# KiCad board for_real_486_rc13.kicad_pcb (continued)
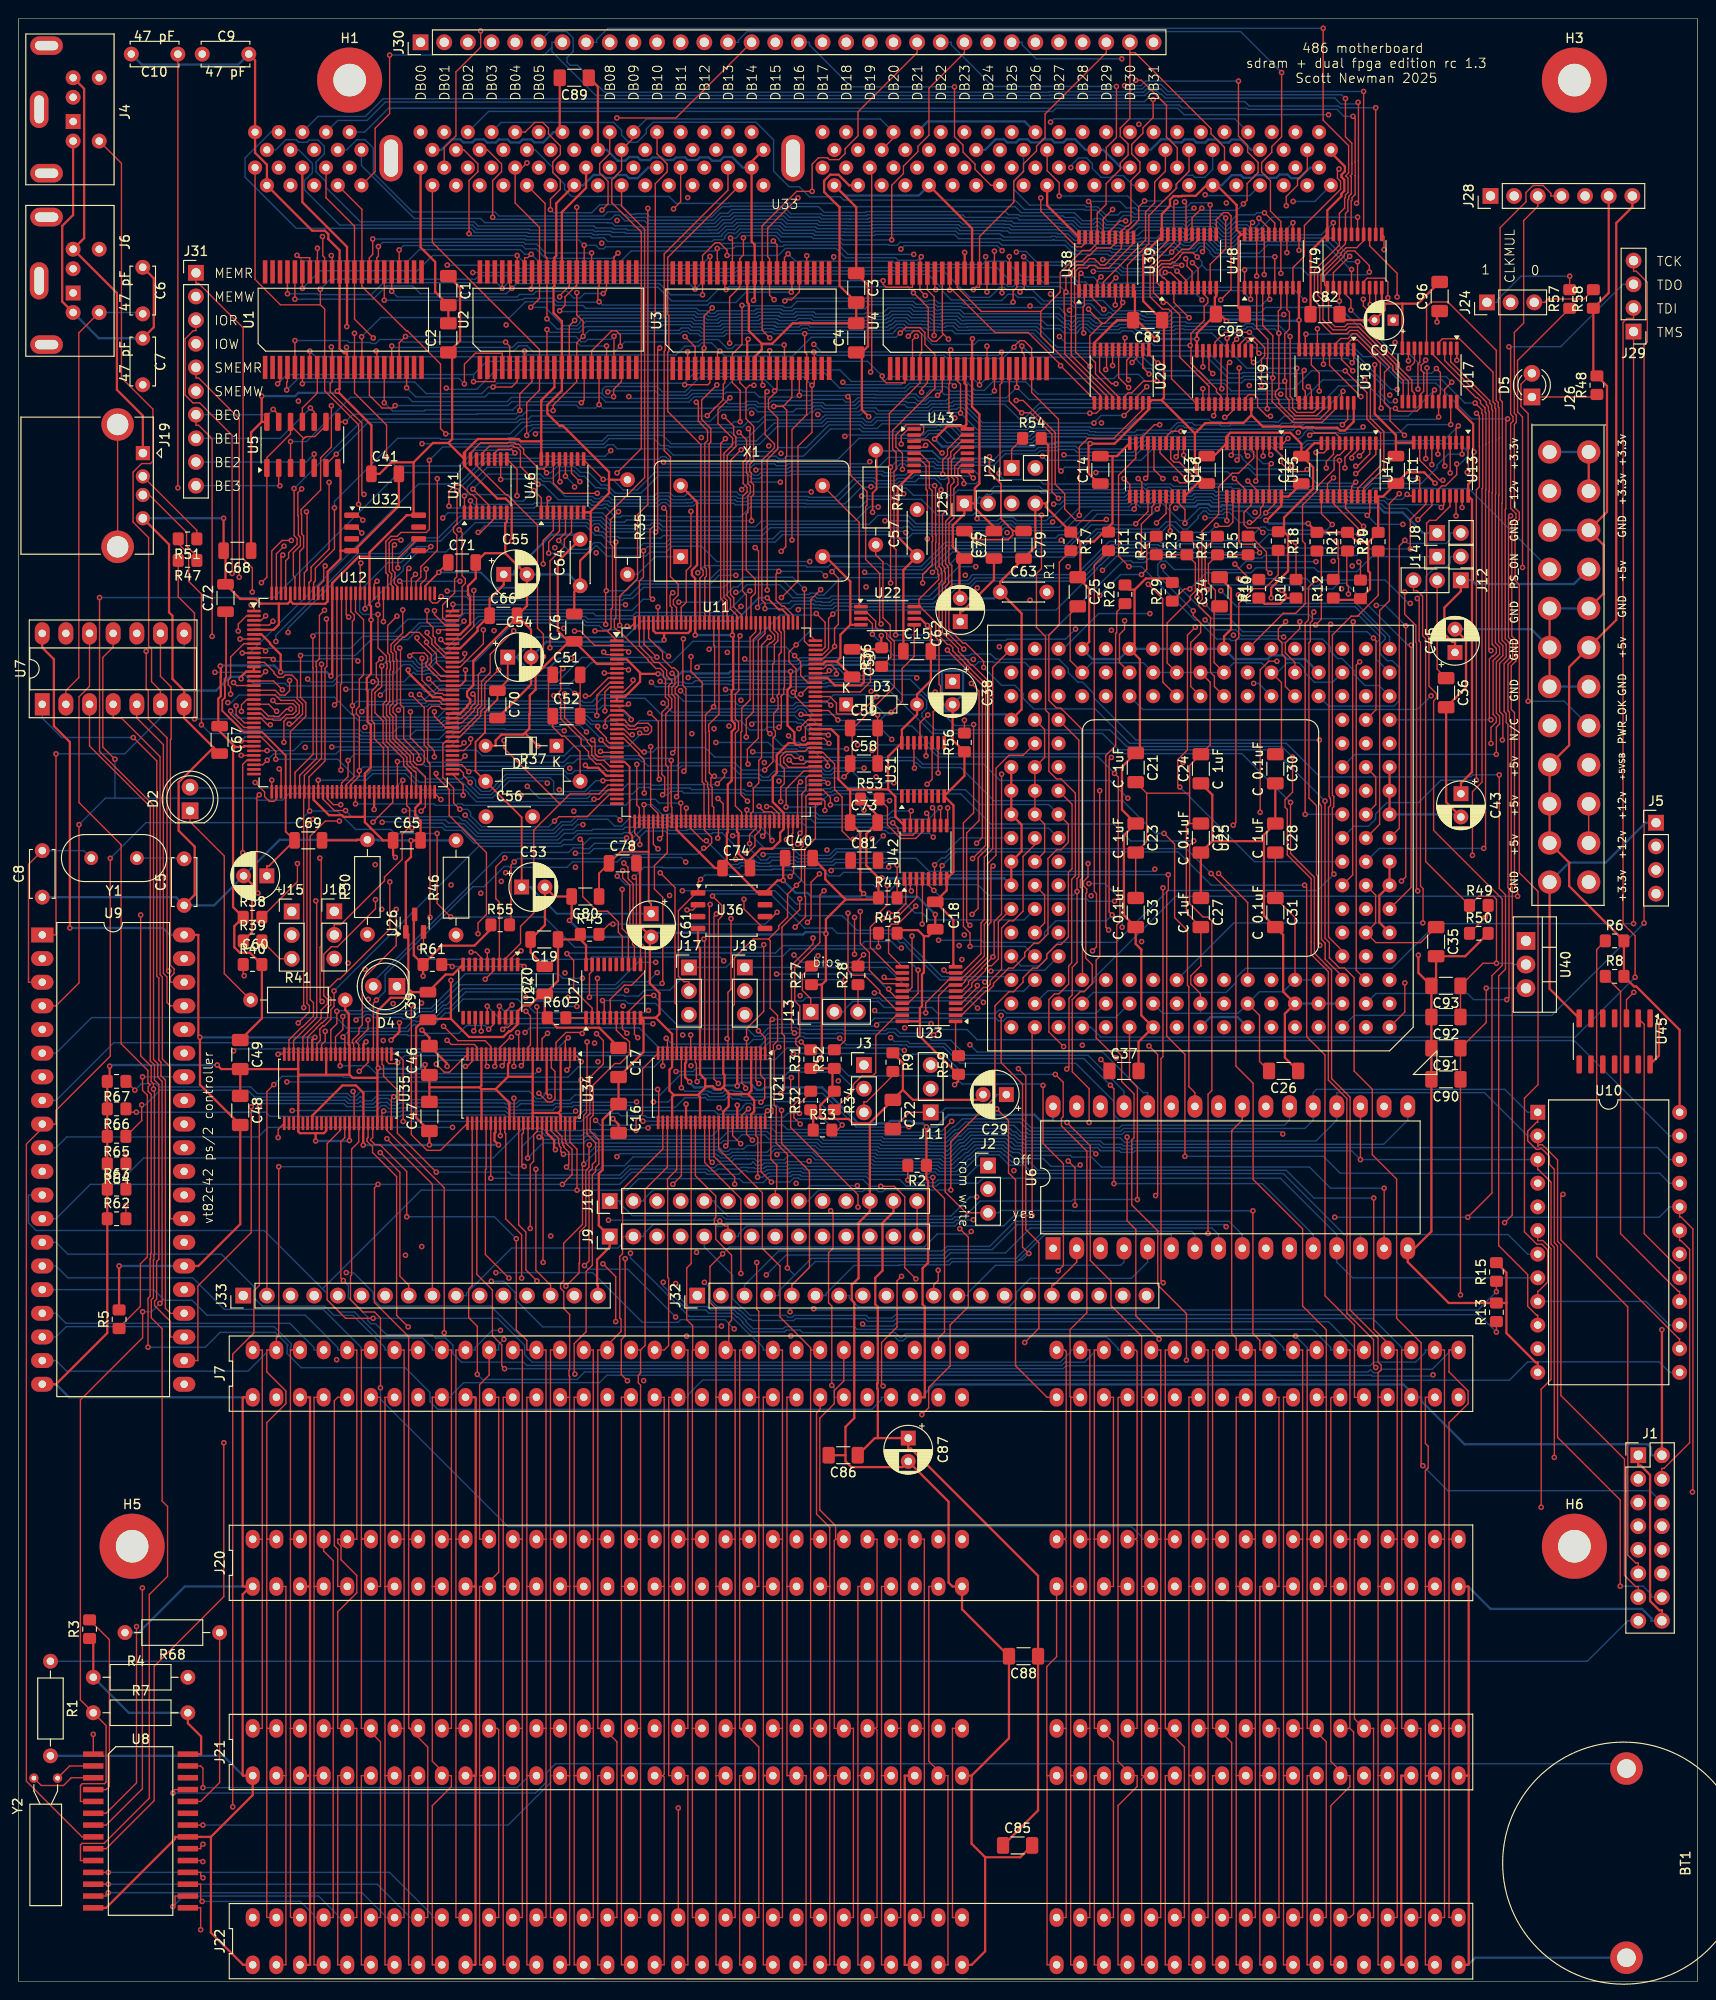
[diagram p0: board, top side]
## Routing (per net, layer and track width the routed paths; a pad name or vN(x,y) marks a point on that pad's centre or on a via; arc(x,y) is an arc through that point) (continued)
  Bottom w0.15: v1(45.57,157.18) 46.12,157.74 62.72,157.74 63.71,156.74 65.08,156.74 65.31,156.97 68.93,156.97 69.03,156.88 v1(78.74,156.88) ; v1(123.19,183.55) 122.9,183.27 118.41,183.27 117.97,183.7 117.57,183.7 117.53,183.66 v1(115.45,183.66)
DB18: length 192.4
  Top w0.15: v1(35.45,146.54) 35.19,146.8 U12.128 ; U39.7 126.7,183.99 v1(126.1,184.6) ; v1(79.94,171.44) 79.87,171.51 U3.13 ; U19.16 129.83,169.43 129.83,173.63 v1(130.1,173.89)
  In1.Cu w0.15: v1(126.1,184.6) 126.1,184.53 123.97,182.41 117.64,182.41 ; v1(35.45,146.54) 36.55,145.45 41.74,145.45 42.93,146.64 46.29,146.64 47.75,148.1 48.43,148.1 50.48,150.15 50.48,151.54 51.22,152.28 52.85,152.28 54.24,153.68 54.7,153.68 61.82,160.81 61.82,161.17 63.32,162.67 67.41,162.67 68.51,163.77 70.18,163.77 72.96,166.54 75.56,166.54 77.44,168.42 77.92,168.42 78.5,167.84 79.04,167.84 79.72,168.52 79.72,171.21 v1(79.94,171.44) 81.13,172.62 89.43,172.62 91.12,174.31 110.31,174.31 114.84,178.85 116.68,178.85 117.16,179.33 117.16,181.93 117.64,182.41 ; 117.64,182.41 117.3,182.74 117.3,183.03 107.95,192.38 U33.57
  In2.Cu w0.15: J30.19 88.9,207.15 81.43,199.69 81.43,190.98 82.04,190.37 82.04,186.25 81.77,185.98 81.77,185.98 80.58,184.78 80.58,180.4 80.93,180.04 80.93,179.53 80.12,178.71 80.12,175.57 79.76,175.22 79.76,171.62 v1(79.94,171.44) ; v1(126.1,184.6) 126.1,179.29 130.1,175.29 v1(130.1,173.89)
DB19: length 174.8
  Top w0.15: v1(36.76,152.34) 36.69,152.27 U12.125 ; 125.94,175.71 125.94,176.99 127.36,178.41 127.36,179.91 127.75,180.31 127.75,180.79 127.36,181.18 127.36,181.18 U39.8 ; 125.94,175.71 v1(125.85,175.71) ; 125.94,175.71 125.94,173.78 128.68,171.05 128.68,170.75 129.17,170.25 U19.15 ; v1(80.68,175.15) 80.67,175.14 U3.14
  In1.Cu w0.15: U33.58 105.73,194.82 104.34,196.2 104.34,197.32 105.23,198.2 105.23,199.04 104.19,200.07 100.49,200.07 92.57,208 92.57,208.28 J30.20 ; v1(80.68,175.15) 81.27,175.74 81.27,176.83 80.93,177.17 76.27,177.17 66.83,167.72 61.09,167.72 54.12,160.75 54.12,159.34 53.78,159 51.22,159 45.33,153.1 37.52,153.1 v1(36.76,152.34)
  In2.Cu w0.15: v1(111.81,176.67) 111.81,186.64 106.68,191.77 U33.58 ; J30.20 90.73,208.28 81.79,199.34 81.79,191.12 82.39,190.52 82.39,186.1 82.08,185.78 82.08,181.15 81.73,180.81 81.73,176.2 v1(80.68,175.15)
  Bottom w0.15: v1(125.85,175.71) 121.98,175.71 121.74,175.95 112.53,175.95 v1(111.81,176.67)
DB20: length 184.7
  Top w0.15: v1(128.38,168.17) 128.52,168.31 U19.14 ; v1(37.21,147.44) 37.21,149.07 U12.124 ; v1(68.43,155.66) 68.65,155.88 68.65,175.21 v1(68.88,175.44) ; U39.13 127.36,185.97 v1(127.17,185.79) ; v1(81.15,180.64) 80.67,181.12 U3.31 80.67,185.04 80.46,185.25 80.46,188.31 v1(83.72,191.57)
  In1.Cu w0.15: 109.73,195.52 109.37,195.89 109.37,197.27 110.3,198.2 110.3,199.04 109.63,199.72 105.32,199.72 104.62,200.43 102.68,200.43 95.11,208 95.11,208.28 J30.21 ; 109.73,195.52 109.22,195.01 U33.60 ; 109.73,195.52 110.88,195.52 111.22,195.86 112.19,195.86 112.36,195.68 113.58,195.68 113.8,195.9 114.69,195.9 115.38,195.21 115.38,194.39 114.49,193.5 114.49,192.44 115.51,191.42 115.51,191.01 121.02,185.5 121.67,185.5 121.71,185.47 123.32,185.47 123.63,185.16 124.33,185.16 124.96,185.8 127.17,185.8 v1(127.17,185.79) ; v1(81.15,180.64) 79.41,178.89 72.33,178.89 v1(68.88,175.44)
  In2.Cu w0.15: v1(127.17,185.79) 126.65,186.32 123.63,186.32 122.81,185.5 122.81,183.99 122.61,183.79 122.61,181.93 123.63,180.91 123.63,172.92 v1(128.38,168.17) ; v1(83.72,191.57) 83.72,192.31 84.84,193.42 84.84,195.45 87.76,198.37 87.76,199.14 93.39,204.77 93.39,207.15 93.98,207.15 J30.21
  Bottom w0.15: v1(68.43,155.66) 68.4,155.69 63.28,155.69 62.92,156.04 62.85,156.04 62.67,156.22 62.33,156.56 61.85,156.56 61.57,156.28 61.51,156.28 61.46,156.33 61.43,156.33 61.08,156.68 49.05,156.68 45.91,153.53 42.88,153.53 41.32,151.97 41.32,151.55 40.75,150.98 40.69,150.98 37.21,147.5 v1(37.21,147.44)
DB21: length 194.2
  Top w0.15: U39.14 126.7,187 125.72,186.01 124.95,186.01 123.95,185.01 123.81,185.01 123.64,184.83 122.66,184.83 121.91,184.08 121.91,181.4 v1(122.96,180.34) 123.38,180.34 124.74,178.98 124.74,174.46 127.87,171.33 U19.13 ; J30.22 96.52,207.15 90.17,200.8 90.17,198.23 88.78,196.84 88.78,196.33 88.12,195.67 87.09,195.67 86.89,195.88 85.93,195.88 85.24,195.19 v1(85.24,192.27) 83.58,192.27 79.87,188.56 U3.32 79.87,177.35 v1(80.69,176.53) ; 38.19,149.09 38.19,150.08 v1(38.5,150.39)
  In1.Cu w0.15: U33.65 118.11,195.04 116.7,196.44 116.7,197.1 115.57,198.23 115.57,198.86 114.15,200.28 105.36,200.28 97.65,208 97.65,208.28 J30.22 ; v1(85.24,192.27) 88.16,189.35 104.72,189.35 110.85,183.22 v1(110.85,181.24) ; v1(80.69,176.53) 79.74,175.57 77.77,175.57 69.21,167.01 62.66,167.01 57.23,161.59 57.23,161.18 52.42,156.37 51.2,156.37 47.23,152.4 40.5,152.4 38.5,150.4 v1(38.5,150.39)
  Bottom w0.15: v1(122.96,180.34) 122.4,180.91 114.42,180.91 114.36,180.85 111.24,180.85 v1(110.85,181.24)
DB22: length 177.7
  Top w0.15: v1(123.86,185.74) 124.76,186.63 U39.17 ; v1(76.38,175.96) 76.38,180.9 77.47,181.99 U3.35 77.47,185.04 77.86,185.43 v1(77.86,187.28) ; v1(38.58,147.85) 38.69,147.95 38.69,149.09 ; v1(117.93,203.53) 117.93,198.05 116.84,196.96 U33.66 ; U19.12 v1(127.22,171.06)
  In1.Cu w0.15: v1(76.38,175.96) 76.38,175.34 68.4,167.37 61.28,167.37 56.52,162.61 56.48,162.61 56.14,162.27 56.14,162.22 54.47,160.56 54.47,159.19 53.93,158.65 51.41,158.65 45.51,152.75 40.05,152.75 37.93,150.63 37.93,148.5 v1(38.58,147.85) ; U33.66 116.94,194.72 116.94,190.08 117.28,189.74 117.34,189.74 120.33,186.75 122.85,186.75 v1(123.86,185.74)
  In2.Cu w0.15: v1(127.22,171.06) 124.46,173.82 124.46,182.73 123.77,183.42 123.77,185.65 v1(123.86,185.74)
  Bottom w0.15: v1(77.86,187.28) 78.09,187.51 81.32,187.51 81.66,187.17 81.66,187.09 81.9,186.85 88.25,186.85 88.55,186.55 93.45,186.55 93.53,186.48 94.37,186.48 94.68,186.79 105.33,186.79 105.64,186.48 112.44,186.48 113.4,185.52 116.98,185.52 117.16,185.35 120.47,185.35 120.53,185.41 121.1,185.41 121.2,185.5 121.67,185.5 121.76,185.41 123.53,185.41 v1(123.86,185.74) ; J30.23 100.19,208.28 100.19,208 104.65,203.53 v1(117.93,203.53)
DB23: length 178.8
  Top w0.15: J30.24 101.6,207.15 97.79,203.34 97.79,198.29 96.61,197.11 96.61,196.54 95.05,194.98 95.05,194.18 93.79,192.92 v1(93.79,187.05) ; U3.36 76.67,185.04 76.68,185.05 76.68,187.03 v1(76.47,187.24) ; v1(39.19,146.05) U12.120 ; U19.11 123.85,172.14 123.85,179.29 123.53,179.61 122.87,179.61 121.55,180.93 121.55,184.23 122.6,185.28 122.6,185.29 124.11,186.8 U39.18 124.11,190.9 v1(124.32,191.11)
  In1.Cu w0.15: v1(39.19,146.05) 41.38,146.05 45.24,149.92 47.07,149.92 47.17,149.81 48.07,149.81 50.89,152.63 52.66,152.63 54.06,154.03 54.55,154.03 61.47,160.95 61.47,161.34 63.15,163.02 67.09,163.02 68.54,164.47 69.89,164.47 71.65,166.23 72.15,166.23 72.81,166.89 74.29,166.89 74.64,167.24 75.76,167.24 77.29,168.77 78.39,168.77 v1(78.75,168.42) ; v1(124.32,191.11) 122.45,191.11 U33.67
  In2.Cu w0.15: J30.24 102.73,208.28 102.73,208 103.57,207.15 104.77,207.15 112.98,198.95 112.98,198.28 114.12,197.14 114.12,196.15 113.03,195.06 v1(113.03,194.82) ; v1(78.75,168.42) 77.34,169.83 77.34,170.7 77.27,170.76 77.27,170.84 77.11,171 77.11,175.37 77.31,175.57 77.31,176.42 76.78,176.95 76.78,181.18 76.93,181.34 76.93,184.9 77.03,185 77.03,186.68 v1(76.47,187.24)
  Bottom w0.15: v1(76.47,187.24) 77.05,187.24 77.28,187.47 77.28,187.52 77.62,187.86 81.46,187.86 81.94,187.39 85.18,187.39 85.37,187.2 88.4,187.2 88.54,187.05 v1(93.79,187.05) ; U33.67 119.72,192.91 118.67,193.96 117.53,193.96 117.34,193.77 116.3,193.77 115.34,194.73 115.34,195.25 114.73,195.86 113.87,195.86 113.03,195.02 v1(113.03,194.82)
DB24: length 165
  Top w0.15: U20.18 120.12,170.21 v1(121.19,171.28) ; U38.3 115.21,180.94 v1(116.58,179.57) ; v1(100.14,175.24) 100.02,175.13 U4.9 100.02,171.7 99.94,171.61 99.94,168.57 v1(100.58,167.93) ; U12.119 39.65,149.13 39.65,150.94 39.71,150.99 39.71,151.04 39.45,151.3 39.45,154.67 39.99,155.22 40.66,155.22 41.07,155.63 43.8,155.63 44.13,155.96 v1(44.13,163.39)
  In1.Cu w0.15: v1(116.58,179.57) 115.97,180.19 114.69,180.19 113.4,178.89 103.79,178.89 v1(100.14,175.24) ; U33.69 123.19,195.25 122.15,196.29 122.15,197.15 122.97,197.97 122.97,199.1 122.4,199.67 122.25,199.67 121.23,200.7 112.57,200.7 105.27,208 105.27,208.28 J30.25
  In2.Cu w0.15: v1(116.58,179.57) 116.66,179.57 ; 116.66,179.57 120.86,175.37 120.86,172.41 120.87,172.41 120.87,171.96 121.19,171.64 v1(121.19,171.28) ; 116.66,179.57 116.66,180.03 120.79,184.16 120.79,190.17 123.19,192.57 U33.69
  Bottom w0.15: v1(100.58,167.93) 100.47,167.82 99.17,167.82 99.12,167.87 98.49,167.87 98.26,167.64 92.25,167.64 91.75,167.15 90.93,167.15 90.55,167.53 86.9,167.53 86.38,167.01 81.5,167.01 79.58,165.09 77.28,165.09 76.97,164.78 75.54,164.78 75.51,164.81 69.95,164.81 69.8,164.96 68.99,164.96 68.25,165.7 63.43,165.7 62.83,165.11 52.94,165.11 52.64,164.81 45.55,164.81 v1(44.13,163.39)
DB25: length 162.6
  Top w0.15: v1(41.07,154.81) 41.01,154.87 40.14,154.87 39.8,154.53 39.8,153.77 39.81,153.76 39.81,151.44 40.07,151.17 40.07,150.86 40,150.79 40,150.02 40.19,149.83 U12.118 ; v1(116.28,183.09) 115.86,182.68 U38.4 ; U20.17 119.47,168.91 v1(118.75,168.19) ; v1(101.18,168.46) 101.18,171.55 100.83,171.91 100.83,173.22
  In2.Cu w0.15: v1(115.52,167.38) 115.69,167.55 115.69,182.5 v1(116.28,183.09) 119.54,186.35 119.54,193.39 120.97,194.82 U33.70 121.92,197.04 120.68,198.28 120.68,198.99 120.92,199.24 120.92,204.09 v1(118.51,206.5) ; v1(41.07,154.81) 43.33,157.07 v1(43.33,165.16)
  Bottom w0.15: J30.26 107.81,208.28 107.81,208 109.3,206.5 v1(118.51,206.5) ; v1(43.33,165.16) 52.5,165.16 52.79,165.46 55,165.46 55.02,165.48 62.71,165.48 63.28,166.05 69.2,166.05 70.1,165.16 75.66,165.16 75.69,165.13 76.71,165.13 77.02,165.45 79.23,165.45 81.15,167.37 86.24,167.37 86.75,167.88 90.7,167.88 90.74,167.84 90.74,167.84 91.08,167.5 91.56,167.5 92.06,168 98.11,168 98.34,168.22 99.26,168.22 99.3,168.19 100.02,168.19 100.34,168.51 101.13,168.51 v1(101.18,168.46) 102.97,166.67 108.33,166.67 108.64,166.98 108.73,166.98 109.13,167.38 115.52,167.38 v1(115.52,167.38) 115.52,167.44 116.28,168.19 v1(118.75,168.19)
DB26: length 163.8
  Top w0.15: v1(122.28,171.86) 120.82,171.86 119.57,170.62 119.19,170.62 118.82,170.24 U20.16 ; 103.23,173.22 v1(103.23,171.47) ; U38.7 117.82,180.08 v1(117.8,180.07) ; U12.117 40.69,149.83 40.35,150.17 40.35,150.64 40.43,150.72 40.43,151.32 40.16,151.58 40.16,154.07 v1(40.38,154.29)
  In1.Cu w0.15: J30.27 110.35,208.28 110.35,208 117.09,201.26 121.31,201.26 123.37,199.19 123.37,198.05 124.41,197.01 124.41,196.36 125.73,195.04 U33.71
  In2.Cu w0.15: 118.03,180.07 121.58,176.51 121.58,173.34 122.28,172.64 v1(122.28,171.86) ; 118.03,180.07 118.03,180.57 122.1,184.64 122.1,189.71 125.3,192.91 U33.71 ; 118.03,180.07 v1(117.8,180.07) ; v1(45.95,171.13) 40.49,165.68 40.49,154.4 v1(40.38,154.29)
  Bottom w0.15: v1(45.95,171.13) 46.07,171.01 49.22,171.01 51.29,173.08 88.22,173.08 89.45,171.85 93.01,171.85 93.54,172.38 102.32,172.38 v1(103.23,171.47) 103.91,172.16 117.63,172.16 118.08,172.61 120.31,172.61 121.05,171.86 v1(122.28,171.86)
DB27: length 148.8
  Top w0.15: 118.46,180.33 v1(118.6,180.33) ; 118.46,180.33 U38.8 ; 118.46,180.33 118.46,179.89 116.65,178.08 116.4,178.08 ; v1(40.93,150.41) 41.19,150.15 U12.116 ; v1(104.02,175.64) U4.14 ; v1(119.99,204.2) 120.62,204.2 123.3,201.51 123.3,198.12 124.46,196.96 U33.72 ; U20.15 118.17,170.17 115.68,172.66 115.68,173.88 115.06,174.49 115.06,176.75 116.4,178.08 ; 116.4,178.08 114.93,179.55 v1(114.93,179.61)
  In1.Cu w0.15: v1(119.99,204.2) 116.69,204.2 112.89,208 112.89,208.28 J30.28 ; v1(47.41,150.39) 48.15,150.39 51.29,153.53 52.99,153.53 53.97,154.51 54.53,154.51 61,160.97 61,161.49 63,163.5 65.35,163.5 66.67,164.82 69.25,164.82 70.53,166.1 71.02,166.1 72.17,167.24 73.97,167.24 76.08,169.36 76.59,169.36 77.87,170.64 77.87,171.14 79.74,173.01 88.82,173.01 90.48,174.66 103.05,174.66 v1(104.02,175.64) 106.19,177.81 113.13,177.81 v1(114.93,179.61)
  In2.Cu w0.15: U33.72 125.41,194.82 126.77,193.46 126.77,191.87 122.45,187.55 122.45,184.18 v1(118.6,180.33)
  Bottom w0.15: v1(47.41,150.39) 40.94,150.39 v1(40.93,150.41)
DB28: length 158.7
  Top w0.15: U4.31 v1(104.02,181.46) ; U20.14 117.52,170.23 113.08,174.67 113.08,179.49 ; 113.08,179.49 v1(112.89,179.49) ; 113.08,179.49 113.08,183.11 113.19,183.22 113.19,183.85 113.73,184.39 114.36,184.39 115,185.03 115.56,185.03 116.22,184.37 116.7,184.37 118.46,186.14 U38.13 118.46,187.99 118.99,188.51 119.15,188.51 119.49,188.85 119.49,193.42 120.46,194.39 120.46,195.4 119.57,196.29 119.57,197.31 120.77,198.51 120.77,199.09 121.87,200.19 v1(121.87,202.13) ; v1(41.93,151.77) 41.69,151.53 U12.115
  In1.Cu w0.15: 122.97,202.45 124.69,202.45 128.08,199.06 128.08,198.2 127,197.12 U33.74 ; 122.97,202.45 122.65,202.13 v1(121.87,202.13) ; 122.97,202.45 122.97,203.05 117.97,208.05 117.97,208.75 117.31,209.41 116.37,209.41 115.43,208.46 115.43,208.28 J30.29 ; v1(112.89,179.49) 112.73,179.33 106.15,179.33 v1(104.02,181.46) 104.02,179.72 100.12,175.82 99.33,175.82 98.74,175.24 90.55,175.24 88.81,173.49 79,173.49 74.26,168.75 73.74,168.75 73.4,168.41 73.4,168.39 72.96,167.95 72.17,167.95 70.79,166.57 70.26,166.57 68.86,165.17 66.28,165.17 64.96,163.85 62.24,163.85 59.09,160.7 59.09,160.1 54.31,155.31 51.88,155.31 47.53,150.97 47.17,150.97 46.83,150.63 46.61,150.41 42.49,150.41 41.93,150.97 v1(41.93,151.77)
DB29: length 172.4
  Top w0.15: U20.13 116.87,170.31 112.39,174.79 112.39,179.17 112.31,179.25 112.31,181.26 v1(112.5,181.46) 112.5,183.03 112.84,183.37 112.84,183.99 113.59,184.74 114.22,184.74 114.85,185.38 115.04,185.38 115.84,186.18 117.3,186.18 117.82,186.69 U38.14 ; U12.114 42.19,150.69 v1(42.63,151.13) ; v1(102.55,181.72) 102.79,181.96 103.23,181.96 103.23,187.42 106.9,191.1 106.9,193.35 107.95,194.39 107.95,195.21 109.34,196.61 109.34,197.12 110.26,198.04 110.26,200.58 116.84,207.15 J30.30
  In1.Cu w0.15: v1(102.55,181.72) 99.31,178.47 99.31,176.3 98.79,175.78 90.58,175.78 88.65,173.85 78.85,173.85 74.11,169.1 73.59,169.1 73.05,168.56 73.05,168.54 72.81,168.3 71.99,168.3 70.61,166.92 70.11,166.92 68.72,165.53 63.42,165.53 58.74,160.85 58.74,160.62 58.61,160.49 58.61,160.12 54.16,155.67 51.58,155.67 47.24,151.32 47.02,151.32 46.46,150.76 43,150.76 v1(42.63,151.13)
  In2.Cu w0.15: U33.75 130.81,190.47 130.24,189.9 130.24,183.73 v1(127.12,180.6)
  Bottom w0.15: v1(102.55,181.72) 103.14,182.31 106.02,182.31 106.29,182.04 106.86,182.04 107.2,182.38 107.97,182.38 108.3,182.04 111.92,182.04 v1(112.5,181.46) 112.7,181.26 126.46,181.26 v1(127.12,180.6)
DB30: length 165.9
  Top w0.15: v1(44.98,161.41) 44.98,153.71 43.21,151.93 43.21,151.46 43.21,151.46 43.21,150.84 42.69,150.32 U12.113 ; 100.83,183.48 100.83,181.96 103.41,179.37 109.8,179.37 ; 109.8,179.37 111.89,181.45 111.89,183.54 114.26,185.91 115.08,185.91 115.86,186.7 U38.17 115.86,189.91 116.82,190.86 116.82,193.09 118.34,194.61 118.34,195.33 119.19,196.17 119.19,197.35 118.34,198.2 118.34,199.06 119.38,200.1 119.38,207.15 ; 109.8,179.37 109.8,176.75 116.22,170.34 U20.12 116.22,168.88 115.77,168.43 v1(115.07,168.43) ; J30.31 119.38,207.15 ; 119.38,207.15 119.95,207.15 128.1,199 128.1,198.44 129.54,196.99 U33.76
  In1.Cu w0.15: v1(44.98,161.41) 49.84,161.41 52.75,164.31 52.75,164.42 53.08,164.76 54.14,164.76 55.52,166.14 v1(55.52,166.21)
  Bottom w0.15: v1(55.52,166.21) 55.71,166.41 76.54,166.41 77.15,165.8 78.33,165.8 80.25,167.72 86.09,167.72 86.43,168.06 86.61,168.24 90.41,168.24 90.83,168.65 91.86,168.65 92.16,168.35 97.97,168.35 98.34,168.72 99.76,168.72 99.88,168.61 99.94,168.61 100.2,168.86 100.76,168.86 100.94,169.04 101.43,169.04 103.44,167.02 108.19,167.02 108.5,167.33 108.59,167.33 109.69,168.43 v1(115.07,168.43)
DB31: length 161.6
  Top w0.15: 100.02,181.96 104.87,177.11 108.46,177.11 111.93,173.64 v1(111.93,173.54) 115.57,169.9 U20.11 ; 100.02,181.96 U4.36 ; 100.02,181.96 v1(100.02,181.67) ; U38.18 115.21,190.9 v1(114.94,191.18) ; U12.112 43.19,150.09 43.78,150.68 v1(43.78,151.7)
  In1.Cu w0.15: v1(100.02,181.67) 98.96,180.6 98.96,176.57 98.51,176.13 87.85,176.13 85.94,174.22 78.73,174.22 74.29,169.79 73.78,169.79 72.65,168.65 71.76,168.65 70.38,167.27 69.97,167.27 68.78,166.09 62.3,166.09 57.59,161.38 57.59,161.02 52.58,156.02 51.35,156.02 47.25,151.91 44,151.91 v1(43.78,151.7) ; U33.77 132.48,192.91 131.01,194.39 131.01,195.25 131.88,196.13 131.88,197.24 130.9,198.22 130.9,198.79 122.54,207.15 121.92,207.15 J30.32
  In2.Cu w0.15: v1(111.93,173.54) 113.47,175.08 113.47,189.71 v1(114.94,191.18) ; v1(127.46,191.9) 126.27,190.71 v1(126.27,190.46)
  Bottom w0.15: v1(127.46,191.9) 127.55,191.81 132.25,191.81 U33.77 ; v1(114.94,191.18) 118.3,191.18 119,190.48 119.94,190.48 120.23,190.19 125.29,190.19 125.33,190.23 126.04,190.23 v1(126.27,190.46)
DB32: length 132.4
  Top w0.15: v1(142.99,185.29) 141.24,183.53 U49.2
  Bottom w0.15: v1(142.99,185.29) 141.03,187.25 133.88,187.25 133.59,186.95 133.4,186.95 133.38,186.94 131.74,186.94 131.71,186.96 131.15,186.96 130.52,186.33 129.85,186.33 129.81,186.37 128.9,186.37 127.85,187.42 126.5,187.42 125.87,186.8 125.25,186.8 125.04,187.01 125,187.01 124.99,187.02 124.89,187.02 124.54,187.37 122.99,187.37 122.62,187.01 122.52,187.01 122.34,186.83 122.26,186.91 120.61,186.91 120.52,186.82 119.95,186.82 119.88,186.75 117.95,186.75 117.86,186.84 117.76,186.84 117.67,186.93 116.11,186.93 115.69,187.36 113.55,187.36 112.85,188.05 111.77,188.05 111.68,188.14 106.61,188.14 106.39,188.36 105.75,188.36 105.7,188.41 101.26,188.41 100.98,188.69 91.63,188.69 91.53,188.59 89,188.59 88.98,188.61 85.95,188.61 85.76,188.79 82.52,188.79 82.05,189.27 77.04,189.27 76.64,188.87 75.8,188.87 75.05,188.12 74.23,188.12 74.21,188.1 65.41,188.1 65.3,188.21 63.91,188.21 63.78,188.33 62,188.33 61.78,188.55 49.36,188.55 48.91,189 36.7,189 33.02,192.68 33.02,193.31 31.95,194.38 31.95,195.41 32.83,196.29 32.83,197.11 32.17,197.78 31.22,197.78 30.98,197.54 30.08,197.54 29.81,197.81 28.71,197.81 27.62,196.72 U33.86
DB33: length 134.9
  Top w0.15: U49.5 v1(143.19,183.88)
  Bottom w0.15: v1(143.19,183.88) 143.08,183.88 140.45,186.51 134.15,186.51 133.26,185.62 128.58,185.62 128.35,185.85 128.35,185.92 127.56,186.72 126.79,186.72 126.17,186.09 124.92,186.09 124.7,186.32 124.6,186.32 124.25,186.67 123.48,186.67 123.12,186.31 122.81,186.31 122.62,186.11 122.06,186.11 121.96,186.21 120.9,186.21 120.81,186.11 120.24,186.11 120.17,186.05 117.55,186.05 117.38,186.22 115.82,186.22 115.39,186.65 113.26,186.65 112.56,187.35 111.48,187.35 111.39,187.44 111,187.44 110.93,187.36 105.84,187.36 105.66,187.53 105.58,187.53 105.41,187.7 100.97,187.7 100.69,187.98 91.92,187.98 91.82,187.88 88.71,187.88 88.69,187.9 85.66,187.9 85.47,188.09 82.23,188.09 81.75,188.56 77.33,188.56 76.9,188.14 76.89,188.14 76.86,188.17 76.09,188.17 75.55,187.62 75.55,187.52 75.44,187.41 74.52,187.41 74.5,187.4 63.72,187.4 63.49,187.63 62.26,187.63 62.23,187.6 61.73,187.6 61.59,187.75 54.78,187.75 54.68,187.85 48.97,187.85 48.96,187.86 48.96,187.96 48.62,188.3 29.81,188.3 24.32,193.78 24.32,195.85 27.1,198.63 U33.87
DB34: length 128.3
  Top w0.15: U49.6 v1(143.83,184.71)
  Bottom w0.15: v1(143.83,184.71) 142.75,184.71 142.41,185.05 142.41,185.17 140.71,186.86 134,186.86 133.72,186.58 131.59,186.58 131.57,186.6 131.3,186.6 130.67,185.98 128.75,185.98 128.7,186.02 128.7,186.07 127.71,187.07 126.64,187.07 126.02,186.44 125.11,186.44 124.89,186.66 124.86,186.66 124.84,186.67 124.75,186.67 124.39,187.02 123.33,187.02 122.97,186.66 122.66,186.66 122.47,186.47 122.2,186.47 122.11,186.56 120.76,186.56 120.67,186.47 120.09,186.47 120.03,186.4 117.8,186.4 117.72,186.49 117.61,186.49 117.52,186.58 115.97,186.58 115.54,187 113.4,187 112.71,187.7 111.62,187.7 111.54,187.79 106.46,187.79 106.24,188.01 105.6,188.01 105.56,188.06 101.11,188.06 100.83,188.33 91.77,188.33 91.67,188.24 88.85,188.24 88.84,188.25 85.8,188.25 85.62,188.44 82.37,188.44 81.9,188.92 77.19,188.92 76.79,188.52 75.94,188.52 75.19,187.77 74.37,187.77 74.36,187.75 65.22,187.75 65.11,187.86 63.76,187.86 63.64,187.98 62.11,187.98 62.09,187.96 61.88,187.96 61.73,188.11 54.92,188.11 54.83,188.2 49.22,188.2 48.77,188.65 34.49,188.65 30.7,192.44 30.7,193.41 31.56,194.27 31.56,195.25 30.08,196.72 U33.88
DB35: length 141.9
  Top w0.15: U49.9 145.79,179.81 145.47,179.5 144.93,179.5 144.46,179.97 v1(144.46,180.68) ; v1(143.72,190.99) 143.93,191.19 143.93,193.81 143.93,193.81 143.93,195.54 143.93,195.54 143.93,201.79 v1(143.89,201.83)
  In2.Cu w0.15: v1(143.72,190.99) 144.46,190.26 v1(144.46,180.68)
  Bottom w0.15: U33.89 32.17,200.32 37.25,200.32 39.15,202.21 110.95,202.21 110.99,202.25 119.7,202.25 120.02,202.57 121,202.57 121.49,203.06 122.26,203.06 122.61,202.7 122.77,202.7 123.18,202.29 141.4,202.29 142.03,201.66 143.72,201.66 v1(143.89,201.83)
DB36: length 128.7
  Top w0.15: U49.12 v1(145.79,201.25)
  Bottom w0.15: v1(145.79,201.25) 141.95,201.25 141.76,201.43 132.19,201.43 131.72,201.9 122.9,201.9 122.45,202.35 122.45,202.37 122.11,202.7 121.64,202.7 121.3,202.37 121.3,202.27 120.93,201.9 111.13,201.9 111.09,201.86 39.4,201.86 37.42,199.88 34.27,199.88 U33.91
DB37: length 121.4
  Top w0.15: U49.15 v1(143.83,189.49)
  Bottom w0.15: U33.92 35.24,196.72 36.33,197.81 37.21,197.81 38.1,196.92 38.1,194.27 42.32,190.06 51.16,190.06 51.6,189.62 62.84,189.62 63.29,190.07 64.67,190.07 64.99,189.75 65.26,189.75 65.56,189.45 66.33,189.45 66.35,189.48 67.36,189.48 67.67,189.16 70.64,189.16 70.65,189.17 74.61,189.17 75.36,189.93 76.21,189.93 76.6,190.32 82.48,190.32 82.96,189.85 86.2,189.85 86.39,189.66 89.42,189.66 89.44,189.64 91.09,189.64 91.19,189.74 101.42,189.74 101.7,189.46 106.14,189.46 106.19,189.41 107.27,189.41 107.49,189.2 112.12,189.2 112.21,189.11 113.29,189.11 113.99,188.41 115.63,188.41 115.86,188.64 115.89,188.64 116.55,187.98 118.11,187.98 118.2,187.89 118.3,187.89 118.39,187.81 119.45,187.81 119.56,187.92 119.8,187.92 120.31,188.43 124.98,188.43 125.33,188.08 125.46,188.08 125.56,187.98 126.06,188.48 128.29,188.48 129.34,187.43 130.13,187.43 131.03,188.33 131.83,188.33 132.17,187.99 132.94,187.99 132.96,188.01 133.16,188.01 134.64,189.49 v1(143.83,189.49)
DB38: length 122.5
  Top w0.15: U49.16 143.15,187.68 143.15,191.23 143.24,191.32 143.24,191.58 143.58,191.92 143.58,193.96 143.58,193.96 143.58,195.39 143.58,195.39 143.58,200.09 v1(143.34,200.32)
  Bottom w0.15: U33.93 37.16,198.63 39.74,201.2 110.93,201.2 111.28,201.55 124.66,201.55 125.01,201.2 131.93,201.2 132.05,201.08 141.62,201.08 142.37,200.32 v1(143.34,200.32)
DB39: length 114.1
  Top w0.15: U49.19 v1(141.24,188.9)
  Bottom w0.15: U33.94 36.83,195.04 42.52,189.36 49.64,189.36 50.09,188.91 63.28,188.91 63.31,188.87 63.74,188.87 64.05,188.56 65.97,188.56 66.07,188.46 74.07,188.46 74.08,188.47 74.9,188.47 75.65,189.22 76.5,189.22 76.89,189.62 82.19,189.62 82.67,189.15 85.91,189.15 86.1,188.96 89.13,188.96 89.14,188.94 91.38,188.94 91.48,189.04 101.13,189.04 101.41,188.76 105.85,188.76 105.9,188.71 106.53,188.71 106.75,188.49 111.83,188.49 111.92,188.41 113,188.41 113.7,187.71 115.83,187.71 116.26,187.28 117.82,187.28 117.91,187.19 118.01,187.19 118.09,187.11 119.74,187.11 119.8,187.17 120.38,187.17 120.47,187.26 122.27,187.26 122.73,187.72 124.69,187.72 125.04,187.37 125.14,187.37 125.15,187.36 125.19,187.36 125.4,187.15 125.73,187.15 126.35,187.77 128,187.77 129.05,186.72 129.95,186.72 130,186.68 130.38,186.68 131.32,187.63 131.54,187.63 131.88,187.29 133.23,187.29 133.25,187.31 133.45,187.31 133.74,187.6 139.93,187.6 v1(141.24,188.9)
DB40: length 105.5
  Top w0.15: U48.2 v1(132.34,180.68)
  In2.Cu w0.15: U33.95 42.12,197.56 42.12,188.27 v1(46.05,184.34)
  Bottom w0.15: v1(46.05,184.34) 53.27,184.34 53.65,183.97 76.92,183.97 77.03,184.08 94.1,184.08 94.11,184.06 105.11,184.06 106.44,182.73 109.81,182.73 110.07,182.46 113.37,182.46 114.23,181.61 131.41,181.61 v1(132.34,180.68)
DB41: length 109.7
  Top w0.15: v1(134.39,180.66) 134.3,180.76 U48.5
  In2.Cu w0.15: v1(48.78,183.55) 45.93,186.41 45.93,193.51 47.11,194.7 47.11,195.21 48.03,196.13 48.03,197.27 46.67,198.63 U33.97
  Bottom w0.15: v1(134.39,180.66) 134.15,180.66 133.46,179.97 124.27,179.97 123.38,179.08 121.23,179.08 120.88,179.43 117.6,179.43 116.49,180.54 114.55,180.54 114.16,180.15 113.55,180.15 113.19,180.5 110.08,180.5 108.91,181.67 108.17,181.67 107.82,182.03 107.34,182.03 106.99,181.67 106.16,181.67 105.88,181.96 105.4,181.96 104.33,180.89 102.19,180.89 99.36,183.71 93.97,183.71 93.95,183.73 77.17,183.73 77,183.55 v1(48.78,183.55)
DB42: length 104.5
  Top w0.15: U33.98 47.83,196.72 49.34,195.21 49.34,194.39 48.38,193.43 v1(48.38,187.72) ; 134.94,181.92 v1(134.94,185.24)
  Bottom w0.15: v1(48.38,187.72) 48.61,187.5 54.54,187.5 54.64,187.4 61.45,187.4 61.59,187.25 62.38,187.25 62.4,187.28 62.88,187.28 63.28,186.88 74.48,186.88 74.66,187.06 75.67,187.06 75.9,187.29 75.9,187.48 76.24,187.82 76.71,187.82 76.79,187.74 77,187.74 77.48,188.21 81.61,188.21 82.08,187.74 85.33,187.74 85.51,187.55 88.54,187.55 88.56,187.53 91.96,187.53 92.06,187.63 100.54,187.63 100.99,187.18 105.52,187.18 105.69,187.01 111.07,187.01 111.15,187.08 111.25,187.08 111.33,187 112.41,187 113.11,186.3 113.26,186.3 113.69,185.87 117.23,185.87 117.41,185.7 120.32,185.7 120.38,185.76 120.96,185.76 121.05,185.85 121.82,185.85 121.91,185.76 123.15,185.76 123.29,185.91 123.29,185.98 123.63,186.32 124.1,186.32 124.68,185.74 126.31,185.74 126.37,185.8 126.48,185.8 126.6,185.91 126.6,186.03 126.94,186.37 127.41,186.37 128,185.78 128,185.63 128.39,185.24 v1(134.94,185.24)
